# Altium PCB EinsyRetro.PcbDoc (part 5 of 5)
Units mil, origin at the board's own origin, x right, y up, seen from the top; angles counter-clockwise.
Board outline 4134 x 2795 mil, 6 copper layers (Top, GND, Signal Layer 1, Supply, Signal Layer 2, Bottom), stack 61.838 mil thick; 427 components, 287 nets, 1377 pads, 895 vias.
Unrouted connection lines stored in the file: 3.
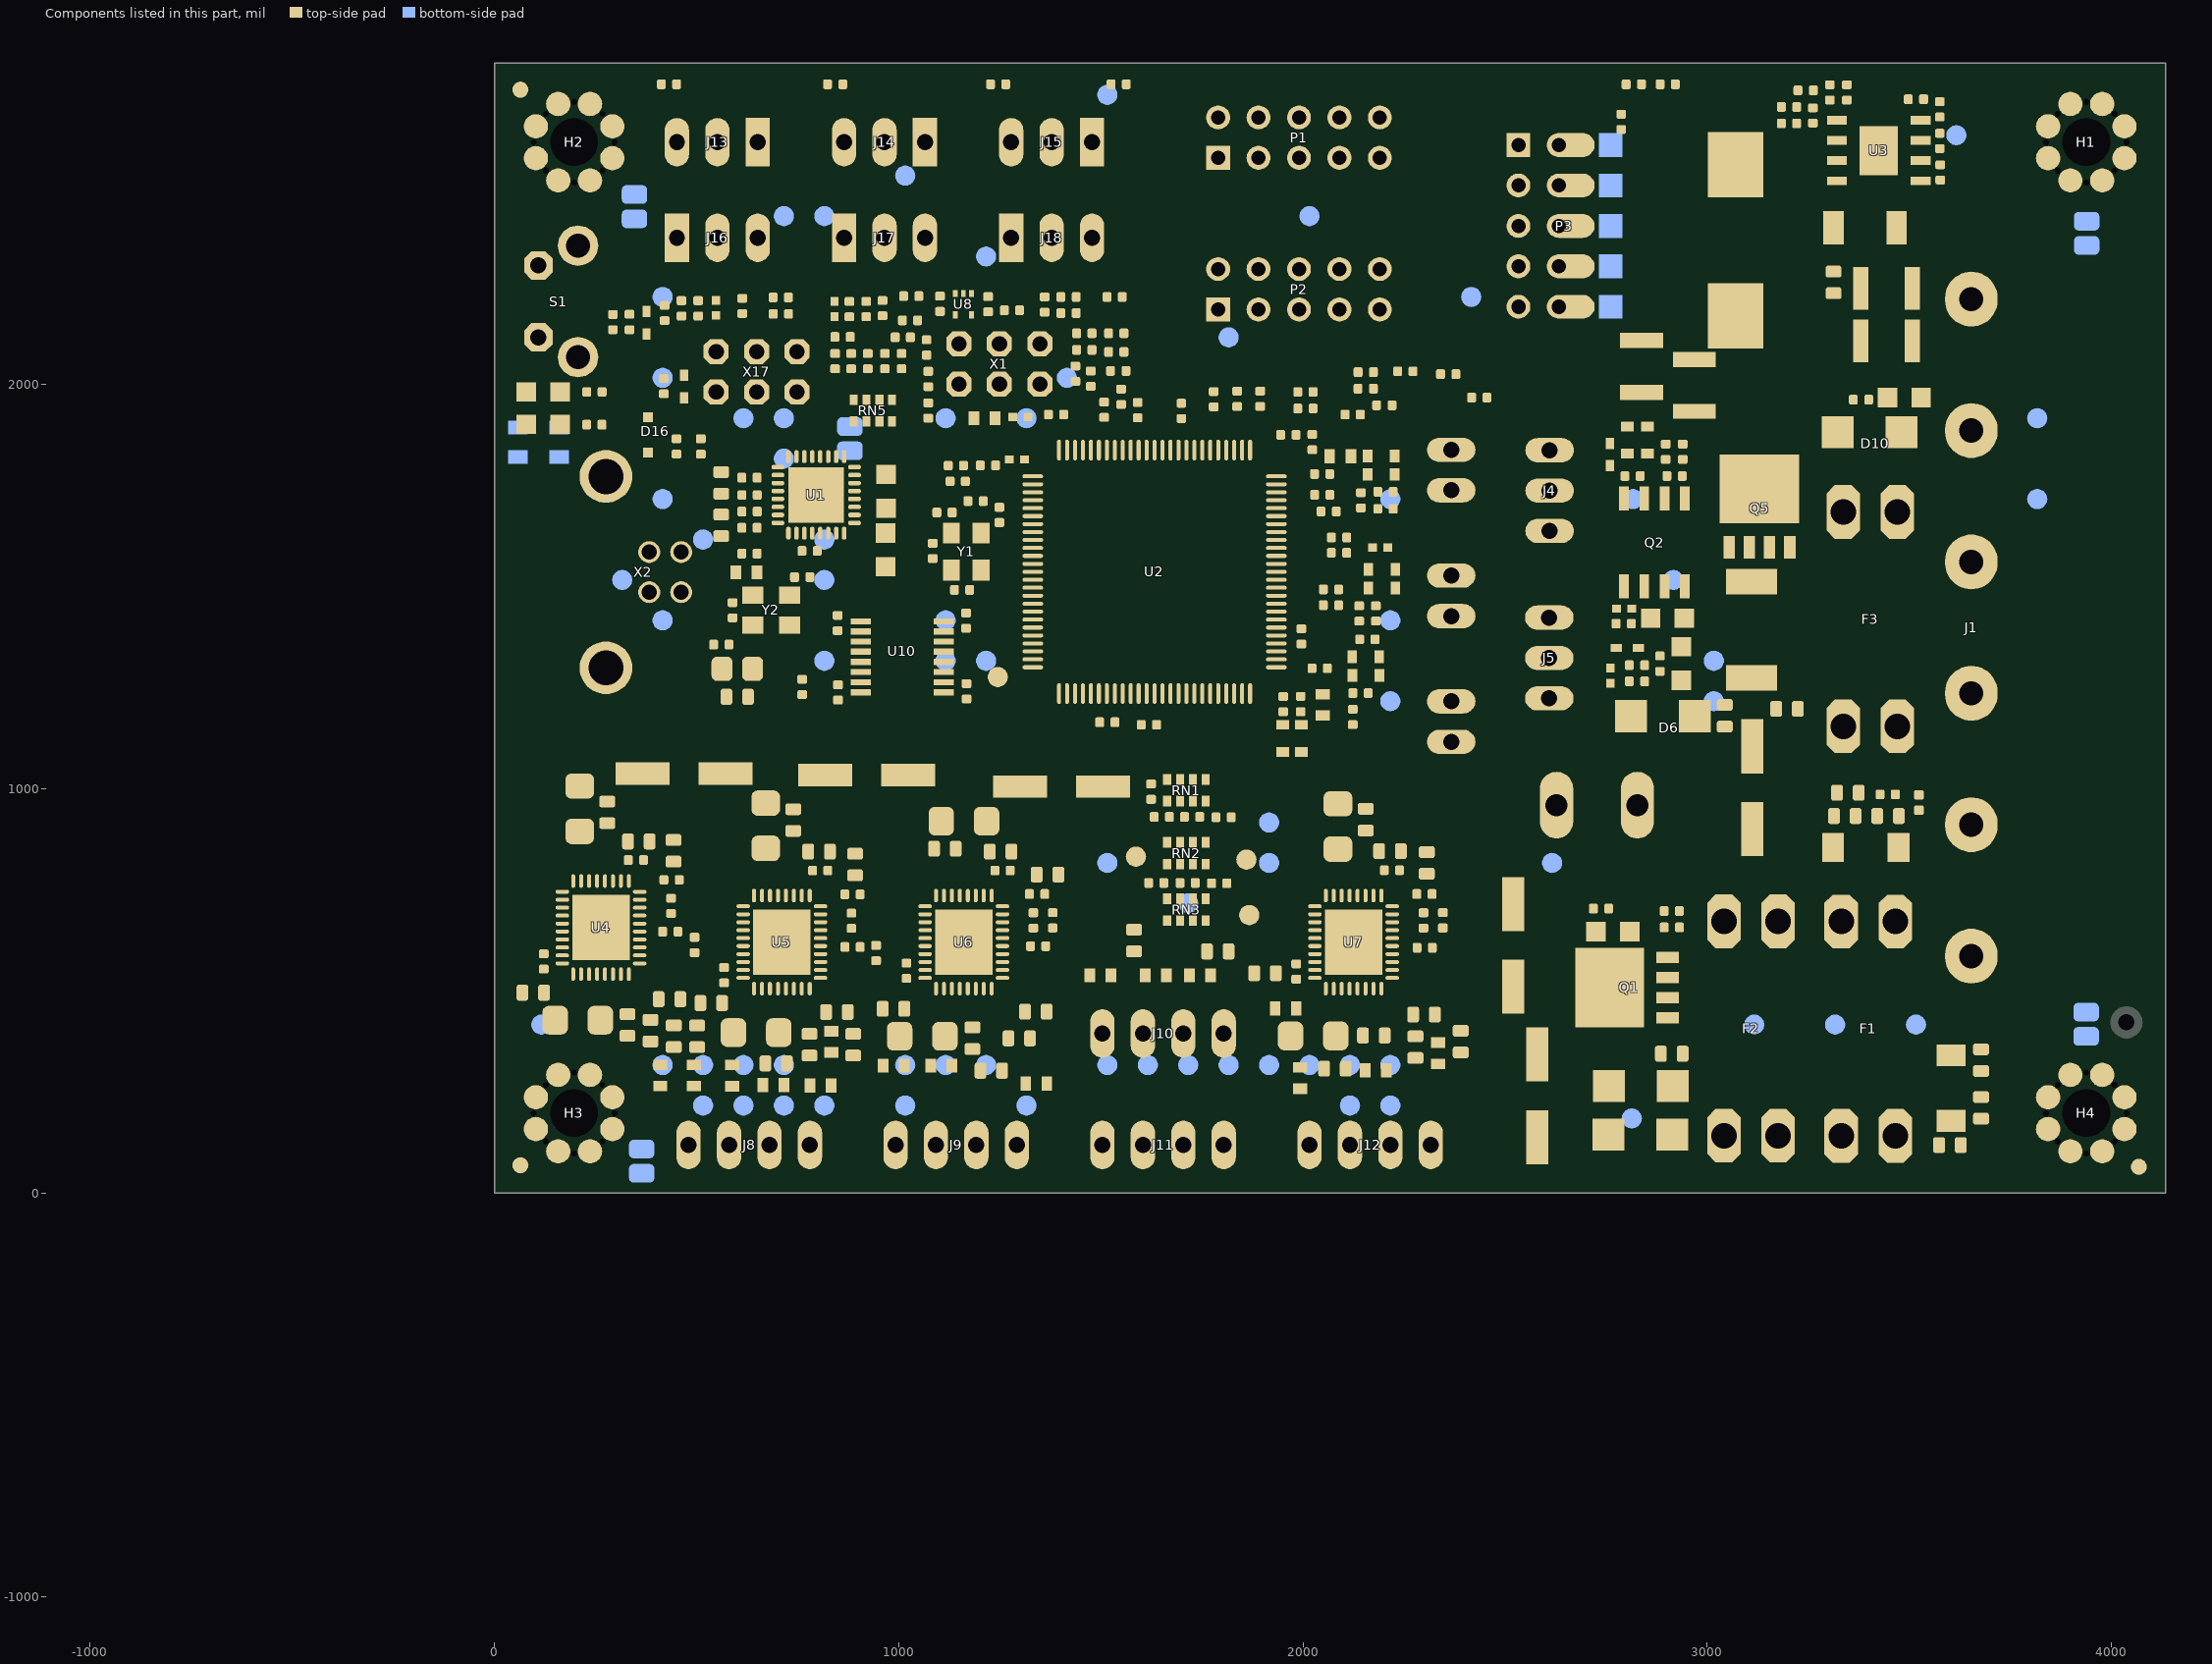
[diagram p9: the components of this part, seen from the top]

## Silkscreen, mask and mechanical layers (free items; w line width, h text height) (continued)
Scratch:
  circle w42: c2708.64,2320.13 r20
  circle w42: c2708.64,2419.05 r20
  circle w42: c2708.64,2517.97 r20
  circle w42: c2708.64,2616.89 r20
  circle w42: c2708.64,2715.8 r20
  lines w2: 1806.25,1982.25 1936.25,1982.25 ; 2844.25,2041.25 2994.25,2041.25
  lines w4: 1306,1282 1514,1282 1925,1282 ; 1306,1313 1514,1313 1925,1313 ; 1341.35,1758.96 1752.35,1758.96 1960.35,1758.96 ; 1341.35,1789.96 1752.35,1789.96 1960.35,1789.96 ; 1378.83,1243.79 1378.83,1654.79 1378.83,1862.79 ; 1409.83,1243.79 1409.83,1654.79 1409.83,1862.79 ; 1440.83,1243.79 1440.83,1654.79 1440.83,1862.79 ; 1514,1344 1925,1344 ; 1824.79,1208.43 1824.79,1416.43 1824.79,1827.43 ; 1855.79,1208.43 1855.79,1416.43 1855.79,1827.43 ; 1886.79,1208.43 1886.79,1416.43 1886.79,1827.43
  lines w10: 827.25,2128.25 1576.25,2128.25
  text "was TP32" at 2301.25,2178.25 h25
  text "tp37" at 1335.25,1704.25 h50 r90
  text "tp27" at 1236.25,1697.25 h50 r90
  text "tp34" at 1127.25,1676.25 h50 r90
Outline:
  the board outline again, w10

## Dimensions
4134.11,0.25 to 4134.11,2795.53 on Top Document
4134.11,2795.53 to 0.25,2795.53 on Top Document

## Text inside footprints (layer, text, board x,y; h text height)
J1: Top Overlay "1" at 4048,339 h60 r90
J2: Top Document "1" at 2303.89,1900.15 h62 r270
J3: Top Document "1" at 2303.89,1589.13 h62 r270
J4: Top Document "1" at 2672.5,1574.5 h62 r90
J5: Top Document "1" at 2671.5,1160.5 h62 r90
J6: Top Document "1" at 2303.89,1278.11 h62 r270
J13: Top Document "1" at 713.93,2661.18 h62 r180
J14: Top Document "1" at 1127.32,2661.18 h62 r180
J15: Top Document "1" at 1540.7,2661.18 h62 r180
J16: Top Document "1" at 388.93,2299.96 h62
J17: Top Document "1" at 802.32,2299.96 h62
J18: Top Document "1" at 1215.7,2299.96 h62
X13: Top Overlay "1" at 2918,725 h77.5; Top Overlay "2" at 2629,725 h77.5